# Altium PCB fpga.PcbDoc (part 8 of 11)
Units mm, origin at the board's own origin, x right, y up, seen from the top; angles counter-clockwise.
Board outline 210 x 210 mm, 2 copper layers (Top Layer, Bottom Layer), stack 1.591 mm thick; 639 components, 1839 nets, 4759 pads, 4016 vias.
Unrouted connection lines stored in the file: 10.
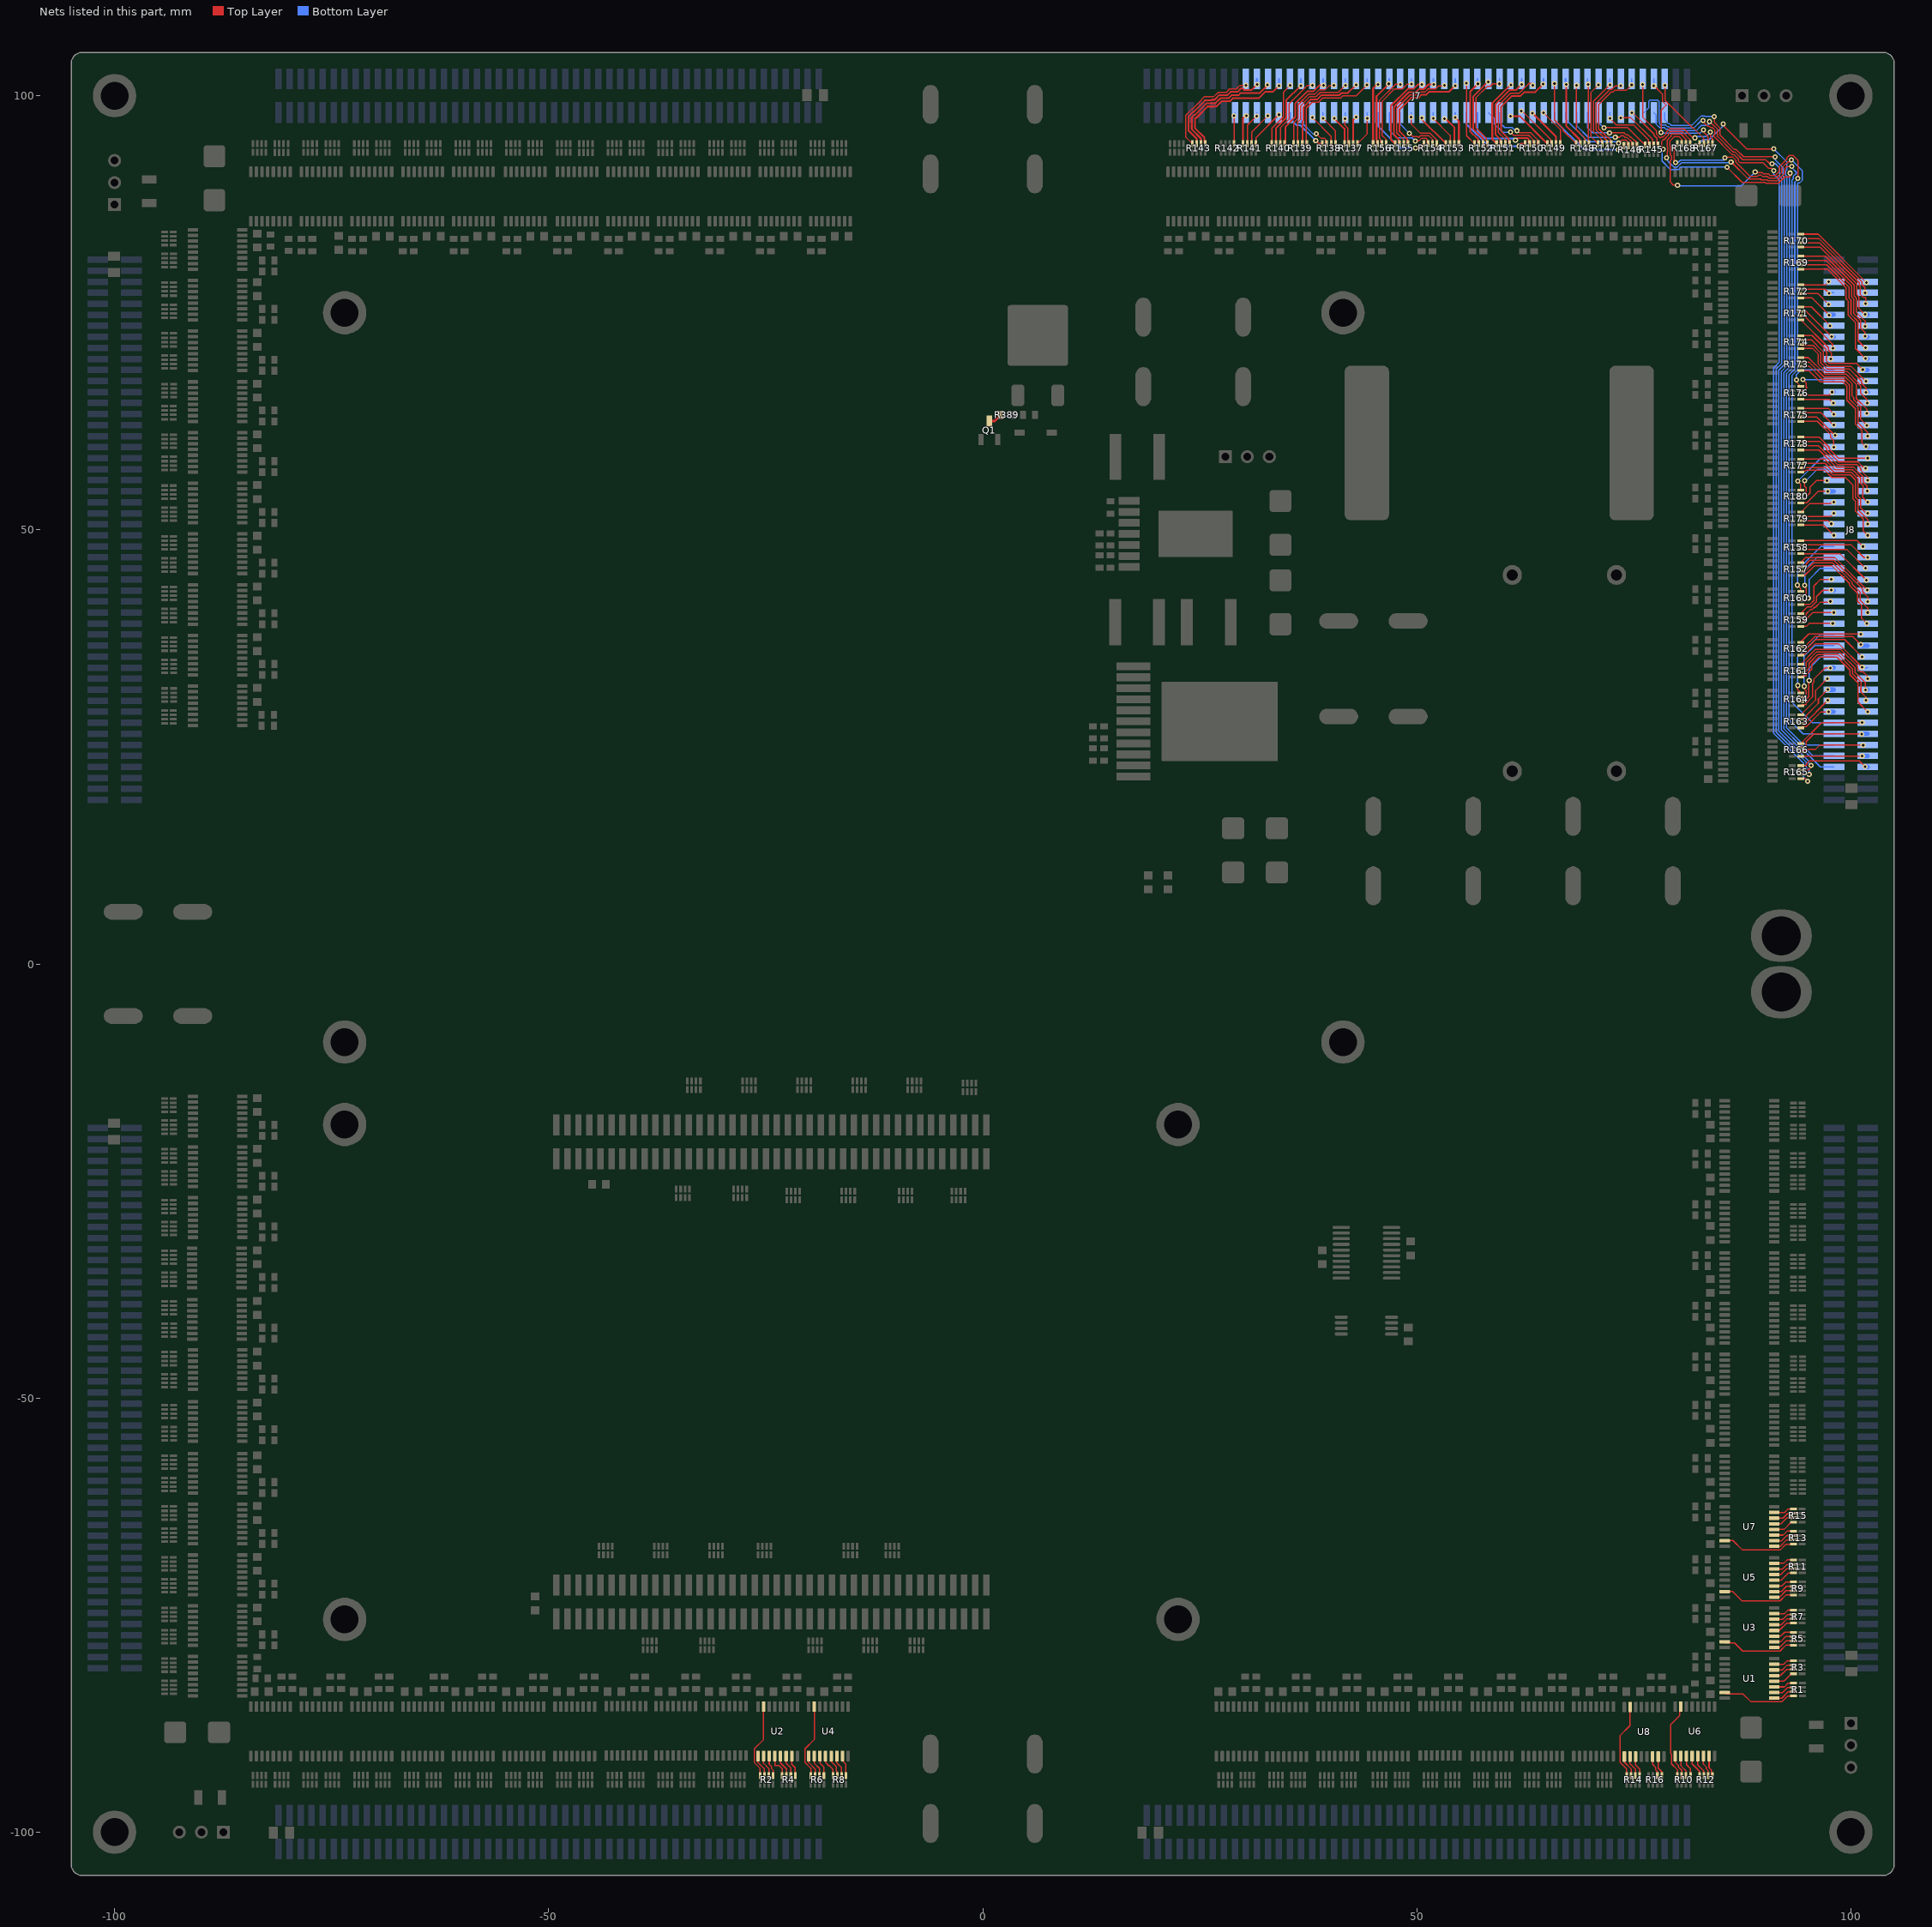
[diagram p8: the nets of this part, all layers, seen from the top]

## Via types
v1: diameter 0.6, hole 0.3, Top Layer to Bottom Layer, tented both sides, 3924 vias
v2: diameter 0.8, hole 0.4, Top Layer to Bottom Layer, tented both sides, 89 vias
v3: diameter 0.6, hole 0.3, Top Layer to Bottom Layer, 3 vias

## Nets (pads, with @x,y where several pads share a name; then routed paths per layer and width w, separated by ;. In a path a pad name is that pad's centre, name@x,y a point inside that pad or via, vN(x,y) a via of type N, cw(c..) or ccw(c..) an arc to the next point about the centre after c; other vN are vias at no path point) (continued)
NetJ7_18: J7.18 R142.5 | length 3.6
  Top Layer w0.15: R142.5@28.94,94.488 28.956,94.504 v1(28.956,97.688)
  Bottom Layer w0.15: v1(28.956,97.688) 29.045,97.777 J7.18@29.045,98.05
NetJ7_19: J7.19 R143.8 | length 12
  Top Layer w0.15: R143.8@24.142,94.48 23.402,95.22 23.402,97.773 24.104,98.475 24.173,98.475 25.242,99.544 25.242,99.614 25.5,99.871 26.583,99.871 27.106,100.394 28.053,100.394 28.429,100.77 29.224,100.77 29.648,101.194 30.302,101.194 v1(30.328,101.219)
NetJ7_20: J7.20 R141.8 | length 3.4
  Top Layer w0.2: R141.8@29.984,94.48 29.984,97.446 30.251,97.714 v1(30.353,97.714)
NetJ7_21: J7.21 R143.7 | length 13.8
  Top Layer w0.2: R143.7@24.642,94.48 24.642,95.046 23.727,95.961 23.727,97.639 24.238,98.15 24.308,98.15 25.567,99.409 25.567,99.479 25.58,99.492 26.365,99.492 26.419,99.546 26.717,99.546 27.24,100.069 28.188,100.069 28.564,100.445 29.359,100.445 29.782,100.869 29.9,100.869 30.1,100.669 30.971,100.669 v1(31.598,101.295)
  Bottom Layer w0.2: J7.21@31.585,101.95 31.585,101.308 v1(31.598,101.295)
NetJ7_22: J7.22 R141.7 | length 4
  Top Layer w0.15: R141.7@30.484,94.48 30.484,96.575 v1(31.572,97.663)
  Bottom Layer w0.15: v1(31.572,97.663) 31.585,97.676 J7.22@31.585,98.05
NetJ7_23: J7.23 R143.6 | length 13.8
  Top Layer w0.2: R143.6@25.142,94.48 25.142,95.076 24.077,96.141 24.077,97.494 24.383,97.8 24.453,97.8 25.795,99.142 26.808,99.142 27.385,99.719 28.333,99.719 28.664,100.051 29.459,100.051 29.728,100.319 31.917,100.319 32.842,101.244 v1(32.791,101.244)
NetJ7_24: J7.24 R141.6 | length 4
  Top Layer w0.15: R141.6@30.984,94.48 30.984,95.83 v1(32.842,97.688)
NetJ7_25: J7.25 R143.5 | length 15.5
  Top Layer w0.2: R143.5@25.642,94.48 25.542,94.58 25.542,95.171 24.427,96.286 24.427,97.349 24.528,97.45 24.598,97.45 25.903,98.755 26.568,98.755 26.605,98.792 26.953,98.792 27.53,99.369 28.478,99.369 28.809,99.701 31.793,99.701 32.575,100.482 33.452,100.482 v1(34.138,101.168)
  Bottom Layer w0.2: J7.25@34.125,101.95 34.125,101.181 v1(34.138,101.168)
NetJ7_26: J7.26 R141.5 | length 4.7
  Top Layer w0.15: R141.5@31.484,94.48 31.484,95.187 v1(34.112,97.815)
  Bottom Layer w0.15: v1(34.112,97.815) 34.125,97.828 J7.26@34.125,98.05
NetJ7_27: J7.27 R140.8 | length 7.6
  Top Layer w0.15: R140.8@33.29,94.472 33.29,96.231 34.637,97.578 34.637,100.423 v1(35.408,101.194)
NetJ7_28: J7.28 R138.8 | length 5.6
  Top Layer w0.2: v1(38.354,94.844) 38.71,94.488 R138.8@39.132,94.488
  Bottom Layer w0.2: J7.28@35.395,98.05 35.395,97.396 36.191,96.6 36.598,96.6 v1(38.354,94.844)
NetJ7_29: J7.29 R140.7 | length 8.7
  Top Layer w0.2: R140.7@33.79,94.472 33.79,96.272 34.962,97.444 34.962,99.478 v1(36.627,101.143)
  Bottom Layer w0.2: v1(36.627,101.143) 36.665,101.181 J7.29@36.665,101.95
NetJ7_30: J7.30 R138.7 | length 5.4
  Top Layer w0.15: v1(38.43,95.606) 38.923,95.113 39.375,95.113 39.507,94.981 39.507,94.529 39.548,94.488 R138.7@39.632,94.488
  Bottom Layer w0.15: J7.30@36.665,98.05 36.665,96.925 36.732,96.925 38.077,95.58 38.102,95.606 v1(38.43,95.606)
NetJ7_31: J7.31 R140.6 | length 8.6
  Top Layer w0.15: R140.6@34.29,94.472 34.29,96.312 35.287,97.309 35.287,99.077 36.828,100.618 36.844,100.618 37.152,100.925 37.152,100.942 37.378,101.168 37.948,101.168 v1(37.973,101.194)
NetJ7_32: J7.32 R138.6 | length 3.9
  Top Layer w0.15: v1(37.973,97.485) 40.132,95.326 R138.6@40.132,94.488
NetJ7_33: J7.33 R140.5 | length 10
  Top Layer w0.2: R140.5@34.79,94.472 34.849,94.531 34.849,96.393 35.998,97.542 35.998,99.094 37.432,100.528 38.085,100.528 38.776,101.219 v1(39.243,101.219)
  Bottom Layer w0.2: J7.33@39.205,101.95 39.205,101.257 v1(39.243,101.219)
NetJ7_34: J7.34 R138.5 | length 4.2
  Top Layer w0.15: v1(39.218,97.384) 40.632,95.969 R138.5@40.632,94.488
  Bottom Layer w0.15: J7.34@39.205,98.05 39.205,97.396 v1(39.218,97.384)
NetJ7_35: J7.35 R139.8 | length 9.7
  Top Layer w0.15: R139.8@35.822,94.472 35.822,96.907 36.197,97.282 36.323,97.408 36.323,98.96 37.567,100.203 38.278,100.203 38.769,100.694 39.46,100.694 39.96,101.194 v1(40.437,101.194)
NetJ7_36: J7.36 R137.8 | length 3.4
  Top Layer w0.2: v1(40.488,97.384) 41.668,96.203 R137.8@41.668,94.48
NetJ7_37: J7.37 R139.7 | length 11.4
  Top Layer w0.15: R139.7@36.322,94.472 36.294,94.5 36.294,96.954 36.497,97.157 36.623,97.283 36.623,98.835 37.691,99.903 38.402,99.903 38.893,100.394 40.958,100.394 v1(41.783,101.219)
  Bottom Layer w0.15: J7.37@41.745,101.95 41.745,101.257 v1(41.783,101.219)
NetJ7_38: J7.38 R137.7 | length 3.8
  Top Layer w0.15: v1(41.732,97.358) 41.732,96.599 42.043,96.288 42.043,94.605 R137.7@42.168,94.48
  Bottom Layer w0.15: v1(41.732,97.358) 41.745,97.371 J7.38@41.745,98.05
NetJ7_39: J7.39 R139.6 | length 11.4
  Top Layer w0.2: R139.6@36.822,94.472 36.822,97.023 36.948,97.149 36.948,98.701 37.825,99.578 38.537,99.578 39.028,100.069 41.093,100.069 41.34,100.316 42.074,100.316 v1(43.002,101.244)
NetJ7_40: J7.40 R137.6 | length 3.2
  Top Layer w0.2: R137.6@42.668,94.48 42.668,97.202 v1(43.002,97.536)
NetJ7_41: J7.41 R139.5 | length 12.9
  Top Layer w0.15: R139.5@37.322,94.472 37.273,94.521 37.273,98.566 37.96,99.253 38.671,99.253 39.162,99.744 41.227,99.744 41.474,99.991 43.019,99.991 v1(44.272,101.244)
  Bottom Layer w0.15: v1(44.272,101.244) 44.285,101.257 J7.41@44.285,101.95
NetJ7_42: J7.42 R137.5 | length 4
  Top Layer w0.15: R137.5@43.168,94.48 44.298,95.61 v1(44.298,97.409)
  Bottom Layer w0.15: J7.42@44.285,98.05 44.285,97.422 v1(44.298,97.409)
NetJ7_43: J7.43 R156.8 | length 7.3
  Top Layer w0.2: R156.8@44.97,94.48 44.97,100.875 45.491,101.397 45.491,101.346 v1(45.542,101.295)
NetJ7_44: J7.44 R154.8 | length 8.1
  Top Layer w0.2: v1(49.86,94.005) 50.333,94.005 R154.8@50.816,94.488
  Bottom Layer w0.2: J7.44@45.555,98.05 45.555,96.482 48.031,94.005 v1(49.86,94.005)
NetJ7_45: J7.45 R156.7 | length 8.1
  Top Layer w0.2: R156.7@45.47,94.48 45.37,94.58 45.37,94.984 45.364,94.989 45.364,99.949 v1(46.787,101.371)
  Bottom Layer w0.2: v1(46.787,101.371) 46.825,101.41 J7.45@46.825,101.95
NetJ7_46: J7.46 R154.7 | length 7.7
  Top Layer w0.15: v1(49.835,94.793) 50.253,94.793 50.573,95.113 51.059,95.113 51.191,94.981 51.191,94.613 R154.7@51.316,94.488
  Bottom Layer w0.15: J7.46@46.825,98.05 46.825,96.025 47.701,95.148 49.454,95.148 49.835,94.767 v1(49.835,94.793)
NetJ7_47: J7.47 R156.6 | length 8.4
  Top Layer w0.15: R156.6@45.97,94.48 45.845,94.605 45.845,94.973 45.713,95.105 45.708,95.105 45.689,95.124 45.689,99.461 47.549,101.321 48.133,101.321 v1(48.108,101.295)
NetJ7_48: J7.48 R154.6 | length 6.4
  Top Layer w0.15: v1(49.149,95.682) 49.513,95.318 50.052,95.318 50.145,95.225 50.26,95.225 50.449,95.413 51.374,95.413 51.816,94.971 R154.6@51.816,94.488
  Bottom Layer w0.15: J7.48@48.095,98.05 48.095,96.736 v1(49.149,95.682)
NetJ7_49: J7.49 R156.5 | length 9.9
  Top Layer w0.15: R156.5@46.47,94.48 46.47,94.973 45.989,95.453 45.989,99.337 47.423,100.77 48.325,100.77 48.901,101.346 v1(49.403,101.346)
  Bottom Layer w0.15: J7.49@49.365,101.95 49.365,101.384 v1(49.403,101.346)
NetJ7_50: J7.50 R154.5 | length 5.4
  Top Layer w0.15: v1(49.352,97.561) 49.352,96.749 50.388,95.713 51.498,95.713 52.316,94.895 R154.5@52.316,94.488
  Bottom Layer w0.15: v1(49.352,97.561) 49.365,97.574 J7.50@49.365,98.05
NetJ7_51: J7.51 R155.8 | length 9.2
  Top Layer w0.2: R155.8@47.51,94.48 47.015,94.975 47.015,98.831 48.98,100.796 49.631,100.796 50.155,101.321 v1(50.597,101.321)
NetJ7_52: J7.52 R153.8 | length 4.1
  Top Layer w0.2: v1(50.597,97.434) 50.597,97.239 R153.8@53.348,94.488
NetJ7_53: J7.53 R155.7 | length 10.8
  Top Layer w0.2: R155.7@48.01,94.48 47.91,94.58 47.91,94.984 47.365,95.528 47.365,98.686 49.085,100.406 49.911,100.406 50.317,100.813 50.327,100.813 50.369,100.771 50.825,100.771 51.349,101.295 v1(51.943,101.295)
  Bottom Layer w0.2: J7.53@51.905,101.95 51.905,101.333 v1(51.943,101.295)
NetJ7_54: J7.54 R153.7 | length 4.4
  Top Layer w0.15: v1(51.892,97.384) 53.848,95.428 R153.7@53.848,94.488
  Bottom Layer w0.15: v1(51.892,97.384) 51.905,97.396 J7.54@51.905,98.05
NetJ7_55: J7.55 R155.6 | length 11.1
  Top Layer w0.15: R155.6@48.51,94.48 48.51,94.924 47.69,95.743 47.69,98.552 49.22,100.081 50.046,100.081 50.41,100.446 50.959,100.446 51.343,100.829 51.401,100.77 52.16,100.77 52.508,101.117 53.111,101.117 53.188,101.194 v1(53.188,101.219)
NetJ7_56: J7.56 R153.6 | length 3.4
  Top Layer w0.2: v1(53.188,97.358) 53.264,97.358 53.289,97.384 54.348,96.325 R153.6@54.348,94.488
NetJ7_57: J7.57 R155.5 | length 12.7
  Top Layer w0.2: R155.5@49.01,94.48 48.91,94.58 48.91,94.984 48.764,95.13 48.015,95.878 48.015,98.417 49.354,99.756 50.18,99.756 50.545,100.121 51.094,100.121 51.418,100.445 53.684,100.445 v1(54.407,101.168)
  Bottom Layer w0.2: v1(54.407,101.168) 54.445,101.206 J7.57@54.445,101.95
NetJ7_58: J7.58 R153.5 | length 3.8
  Top Layer w0.2: v1(54.407,97.511) 54.848,97.069 R153.5@54.848,94.488
  Bottom Layer w0.2: v1(54.407,97.511) 54.445,97.549 J7.58@54.445,98.05
NetJ7_59: J7.59 R152.8 | length 7.4
  Top Layer w0.15: v1(55.728,101.448) 55.728,95.406 R152.8@56.654,94.48
NetJ7_60: J7.60 R150.8 | length 9.3
  Top Layer w0.2: v1(61.773,94.209) 61.773,94.234 62.019,94.48 R150.8@62.496,94.48
  Bottom Layer w0.2: J7.60@55.715,98.05 55.715,96.736 58.242,94.209 v1(61.773,94.209)
NetJ7_61: J7.61 R152.7 | length 8.3
  Top Layer w0.2: v1(57.048,101.371) 56.134,100.457 56.134,95.904 57.054,94.984 57.054,94.58 R152.7@57.154,94.48
  Bottom Layer w0.2: J7.61@56.985,101.95 56.985,101.435 v1(57.048,101.371)
NetJ7_62: J7.62 R150.7 | length 9.1
  Top Layer w0.2: v1(61.366,94.894) 61.602,95.13 62.75,95.13 62.896,94.984 62.896,94.58 R150.7@62.996,94.48
  Bottom Layer w0.2: J7.62@56.985,98.05 56.985,95.961 57.855,95.091 61.17,95.091 v1(61.366,94.894)
NetJ7_63: J7.63 R152.6 | length 8.4
  Top Layer w0.2: R152.6@57.654,94.48 57.654,95.025 56.484,96.195 56.484,99.893 58.191,101.6 v1(58.242,101.6)
NetJ7_64: J7.64 R150.6 | length 7.3
  Top Layer w0.15: v1(60.782,95.809) 61.136,95.455 62.889,95.455 63.371,94.973 63.371,94.605 R150.6@63.496,94.48
  Bottom Layer w0.15: J7.64@58.255,98.05 58.93,97.375 58.93,96.757 59.878,95.809 v1(60.782,95.809)
NetJ7_65: J7.65 R152.5 | length 9.8
  Top Layer w0.15: R152.5@58.154,94.48 58.029,94.605 58.029,95.11 56.809,96.33 56.809,99.758 58.126,101.075 58.46,101.075 58.756,101.371 v1(59.512,101.371)
  Bottom Layer w0.15: v1(59.512,101.371) 59.525,101.384 J7.65@59.525,101.95
NetJ7_66: J7.66 R150.5 | length 6.9
  Top Layer w0.15: v1(61.544,95.987) 61.776,95.755 63.089,95.755 63.871,94.973 63.871,94.48 R150.5@63.996,94.48
  Bottom Layer w0.15: J7.66@59.525,98.05 59.525,96.939 60.13,96.334 61,96.334 61.307,96.026 61.307,96.02 61.341,95.987 v1(61.544,95.987)
NetJ7_67: J7.67 R151.8 | length 7.9
  Top Layer w0.2: R151.8@59.194,94.48 58.699,94.975 58.699,99.136 v1(60.833,101.27)
NetJ7_68: J7.68 R149.8 | length 5.5
  Top Layer w0.2: v1(60.808,97.663) 61.853,97.663 R149.8@65.036,94.48
NetJ7_69: J7.69 R151.7 | length 9.4
  Top Layer w0.2: R151.7@59.694,94.48 59.594,94.58 59.594,94.984 59.049,95.528 59.049,98.991 60.693,100.635 61.392,100.635 v1(62.078,101.321)
  Bottom Layer w0.2: J7.69@62.065,101.95 62.065,101.333 v1(62.078,101.321)
NetJ7_70: J7.70 R149.7 | length 5.5
  Top Layer w0.15: v1(62.027,98.247) 62.137,98.247 65.411,94.973 65.411,94.605 R149.7@65.536,94.48
  Bottom Layer w0.15: v1(62.027,98.247) 62.065,98.209 J7.70@62.065,98.05
NetJ7_71: J7.71 R151.6 | length 9.9
  Top Layer w0.15: R151.6@60.194,94.48 60.194,94.975 59.374,95.794 59.374,98.857 60.828,100.31 61.809,100.31 62.896,101.397 63.322,101.397 63.322,101.219 v1(63.348,101.194)
NetJ7_72: J7.72 R149.6 | length 4.6
  Top Layer w0.2: v1(63.322,97.993) 66.036,95.279 R149.6@66.036,94.48
NetJ7_73: J7.73 R151.5 | length 11.2
  Top Layer w0.2: R151.5@60.694,94.48 60.594,94.58 60.594,95.034 59.699,95.929 59.699,98.714 60.97,99.985 61.944,99.985 62.391,100.432 63.652,100.432 v1(64.567,101.346)
  Bottom Layer w0.2: v1(64.567,101.346) 64.605,101.384 J7.73@64.605,101.95
NetJ7_74: J7.74 R149.5 | length 4.4
  Top Layer w0.15: v1(64.605,98.05) 66.536,96.119 R149.5@66.536,94.48
NetJ7_75: J7.75 R148.8 | length 8
  Top Layer w0.15: v1(65.862,101.397) 65.862,97.217 66.836,96.243 66.836,95.986 R148.8@68.35,94.472
NetJ7_76: J7.76 R146.8 | length 10.5
  Top Layer w0.2: v1(73.203,93.802) v1@73.406,93.802 ; v1@73.502,93.802 v1@73.406,93.802 ; R146.8@73.863,94.259 v1@73.406,93.802
  Bottom Layer w0.2: J7.76@65.875,98.05 65.875,97.193 69.266,93.802 v1(73.203,93.802)
NetJ7_77: J7.77 R148.7 | length 8.2
  Top Layer w0.2: v1(67.208,101.295) 67.208,96.517 68.75,94.976 68.75,94.572 R148.7@68.85,94.472
  Bottom Layer w0.2: J7.77@67.145,101.95 67.145,101.359 v1(67.208,101.295)
NetJ7_78: J7.78 R146.7 | length 10
  Top Layer w0.15: v1(73.263,94.555) v1@73.29,94.555 ; v1@73.414,94.582 73.386,94.555 v1@73.29,94.555 ; R146.7@74.363,94.259 74.238,94.384 74.238,94.753 74.106,94.884 73.62,94.884 v1@73.29,94.555
  Bottom Layer w0.15: J7.78@67.145,98.05 67.145,97.295 69.74,94.7 73.09,94.7 73.108,94.718 73.278,94.718 73.263,94.703 v1(73.263,94.555)
NetJ7_79: J7.79 R148.6 | length 7.2
  Top Layer w0.15: v1(68.428,101.219) 68.377,101.168 68.377,96.088 69.35,95.115 R148.6@69.35,94.472
NetJ7_80: J7.80 R146.6 | length 9.3
  Top Layer w0.15: v1(72.873,95.225) 73.37,95.225 73.55,95.405 73.793,95.405 74.014,95.184 74.231,95.184 74.531,94.884 74.606,94.884 74.738,94.753 74.738,94.384 R146.6@74.863,94.259
  Bottom Layer w0.15: J7.80@68.415,98.05 68.415,96.558 69.766,95.208 72.856,95.208 v1(72.873,95.225)
NetJ7_81: J7.81 R148.5 | length 7.6
  Top Layer w0.15: v1(69.748,101.321) 69.742,101.314 69.742,94.58 R148.5@69.85,94.472
  Bottom Layer w0.15: J7.81@69.685,101.95 69.685,101.384 v1(69.748,101.321)
NetJ7_82: J7.82 R146.5 | length 8.5
  Top Layer w0.15: v1(72.187,95.733) 72.204,95.75 73.873,95.75 74.138,95.484 74.355,95.484 74.655,95.184 74.731,95.184 75.031,94.884 75.106,94.884 75.238,94.753 75.238,94.384 R146.5@75.363,94.259
  Bottom Layer w0.15: J7.82@69.685,98.05 69.685,96.304 70.256,95.733 v1(72.187,95.733)
NetJ7_83: J7.83 R147.8 | length 7.5
  Top Layer w0.15: R147.8@70.89,94.488 70.042,95.336 70.042,100.369 v1(70.917,101.244)
NetJ7_84: J7.84 R145.8 | length 7.5
  Top Layer w0.15: v1(71.552,96.317) 74.299,96.317 R145.8@76.288,94.328
  Bottom Layer w0.15: J7.84@70.955,98.05 70.955,96.914 v1(71.552,96.317)
NetJ7_85: J7.85 R147.7 | length 8.7
  Top Layer w0.15: R147.7@71.39,94.488 71.265,94.613 71.265,94.981 70.342,95.905 70.342,99.348 v1(72.263,101.27)
  Bottom Layer w0.15: J7.85@72.225,101.95 72.225,101.308 v1(72.263,101.27)
NetJ7_86: J7.86 R145.7 | length 6.8
  Top Layer w0.15: v1(72.263,97.384) 73.03,96.617 75.007,96.617 76.663,94.961 76.663,94.453 R145.7@76.788,94.328
  Bottom Layer w0.15: J7.86@72.225,98.05 72.225,97.422 v1(72.263,97.384)
NetJ7_87: J7.87 R147.6 | length 8.9
  Top Layer w0.15: R147.6@71.89,94.488 71.89,94.908 71.845,94.908 71.261,95.492 71.21,95.492 70.642,96.06 70.642,99.115 72.271,100.745 72.48,100.745 72.878,101.143 v1(73.508,101.143)
NetJ7_88: J7.88 R145.6 | length 5.4
  Top Layer w0.15: v1(73.508,97.46) 74.676,97.46 77.163,94.973 77.163,94.453 R145.6@77.288,94.328
NetJ7_89: J7.89 R147.5 | length 10.6
  Top Layer w0.15: R147.5@72.39,94.488 72.265,94.613 72.265,94.981 72.039,95.208 71.969,95.208 71.385,95.792 71.334,95.792 70.942,96.185 70.942,98.991 72.396,100.445 72.605,100.445 72.778,100.618 74.126,100.618 v1(74.752,101.244)
  Bottom Layer w0.15: v1(74.752,101.244) 74.765,101.257 J7.89@74.765,101.95
NetJ7_90: J7.90 R145.5 | length 5
  Top Layer w0.15: v1(74.765,98.05) 74.867,98.05 77.331,95.586 77.331,95.442 77.663,95.109 77.663,94.453 R145.5@77.788,94.328
NetJ7_91: J7.91 R167.5 | length 15.7
  Top Layer w0.15: v1(76.022,101.295) 76.022,97.556 77.631,95.947 77.631,95.566 78.064,95.133 78.19,95.258 78.373,95.258 78.681,95.566 78.681,95.75 79.121,96.19 80.769,96.19 81.701,95.258 82.135,95.258 82.042,95.165 v1(82.042,95.148) ; v1(83.82,95.809) 83.85,95.779 83.85,95.268 84.062,95.056 R167.5@84.062,94.48
  Bottom Layer w0.15: v1@81.966,95.072 82.194,95.301 83.312,95.301 v1(83.82,95.809)
NetJ7_92: J7.92 R165.5 | length 95.8
  Top Layer w0.15: v1(82.956,97.13) 82.956,97.048 83.501,96.503 83.677,96.503 83.846,96.334 84.037,96.334 84.345,96.026 84.345,95.591 84.15,95.396 84.15,95.392 86.337,93.205 86.549,93.205 87.033,92.722 87.033,92.51 87.264,92.278 89.891,92.278 90.534,91.635 90.864,91.635 v1(91.11,91.389) ; R165.5@94.234,21.344 94.734,21.344 v1(95.021,21.057)
  Bottom Layer w0.15: J7.92@76.035,98.05 76.147,98.05 76.71,98.613 76.71,99.343 76.842,99.475 77.768,99.475 77.9,99.343 77.9,96.997 77.98,96.917 77.98,96.757 78.112,96.625 78.66,96.625 78.829,96.456 79.031,96.456 79.214,96.273 81.897,96.273 82.753,97.13 v1(82.956,97.13) ; v1(91.11,91.389) 91.11,90.986 91.745,90.351 91.745,69.282 91.101,68.638 91.101,26.576 94.539,23.138 94.539,21.539 v1(95.021,21.057)
NetJ7_93: J7.93 R167.6 | length 13.9
  Top Layer w0.15: v1(77.318,101.168) 78.288,100.198 78.288,99.368 78.74,98.915 78.156,98.331 v1(78.156,95.783) ; v1(83.007,96.063) 83.007,95.879 83.55,95.336 83.55,94.492 R167.6@83.562,94.48
  Bottom Layer w0.15: J7.93@77.305,101.95 77.305,101.181 v1(77.318,101.168) ; v1(78.156,95.783) 78.266,95.673 82.618,95.673 v1(83.007,96.063)
NetJ7_94: J7.94 R165.6 | length 92.1
  Top Layer w0.15: v1(83.718,97.028) 84.113,96.634 84.162,96.634 84.645,96.151 84.645,95.322 86.462,93.505 86.674,93.505 87.544,92.634 90.195,92.634 90.653,92.177 v1(90.932,92.177) ; R165.6@94.234,21.844 94.259,21.819 v1(95.199,21.819)
  Bottom Layer w0.15: J7.94@77.305,98.05 77.546,97.809 77.546,96.766 77.988,96.325 78.536,96.325 78.705,96.156 78.907,96.156 79.089,95.973 82.175,95.973 82.79,96.588 83.481,96.588 83.82,96.926 v1(83.718,97.028) ; v1(90.932,92.177) 91.295,92.177 91.77,91.702 91.77,90.75 92.045,90.476 92.045,69.157 91.401,68.514 91.401,26.7 94.839,23.262 94.839,22.707 95.199,22.346 v1(95.199,21.819)
NetJ7_95: J7.95 R167.7 | length 8.6
  Top Layer w0.15: v1(78.588,101.219) 78.588,99.492 81.771,96.308 81.828,96.308 83.062,95.074 R167.7@83.062,94.48
NetJ7_96: J7.96 R165.7 | length 90.9
  Top Layer w0.15: v1(84.277,97.612) 84.277,96.943 84.945,96.275 84.945,95.446 86.586,93.805 86.798,93.805 87.633,92.97 88.538,92.97 88.544,92.964 v1(91.288,92.964) ; R165.7@94.234,22.344 95.09,22.344 95.428,22.682 v1(95.428,22.86)
  Bottom Layer w0.15: J7.96@78.575,98.05 78.575,97.218 79.037,96.756 79.155,96.756 79.338,96.573 81.527,96.573 81.607,96.654 81.738,96.654 82.739,97.655 83.174,97.655 83.216,97.612 v1(84.277,97.612) ; v1(91.288,92.964) 91.288,92.608 92.19,91.706 92.19,90.755 92.345,90.6 92.345,69.033 91.701,68.389 91.701,26.824 95.139,23.386 95.139,23.149 v1(95.428,22.86)
NetJ8_7: J8.7 R167.8 | length 88.1
  Top Layer w0.15: v1(82.11,94.214) 82.296,94.214 R167.8@82.562,94.48 ; v1(85.293,96.774) 85.192,96.672 87.986,93.878 v1(91.135,93.878)
  Bottom Layer w0.15: v1(82.11,94.214) 82.11,94.073 82.982,94.945 83.699,94.945 85.293,96.54 v1(85.293,96.774) ; v1(91.135,93.878) 91.135,93.859 92.645,92.349 92.645,91.469 92.49,91.314 92.49,90.879 92.645,90.724 92.645,68.909 92.001,68.265 92.001,26.948 94.134,24.816 94.361,24.816 96.482,22.695 J8.7@98.05,22.695
NetJ8_8: J8.8 R165.8 | length 8.4
  Top Layer w0.15: R165.8@94.234,22.844 94.89,22.844 94.903,22.857 94.903,23.077 95.21,23.385 100.973,23.385 v1(101.651,22.708)
  Bottom Layer w0.5: v1(101.651,22.708) 101.663,22.695 J8.8@101.95,22.695